# Altium PCB BMS.Pcb.PcbDoc (part 2 of 3)
Units mm, origin at the board's own origin, x right, y up, seen from the top; angles counter-clockwise.
Board outline 101.6 x 152.65 mm, 2 copper layers (Top Layer, Bottom Layer); 294 components, 149 nets, 690 pads, 917 vias.
Unrouted connection lines stored in the file: 52.
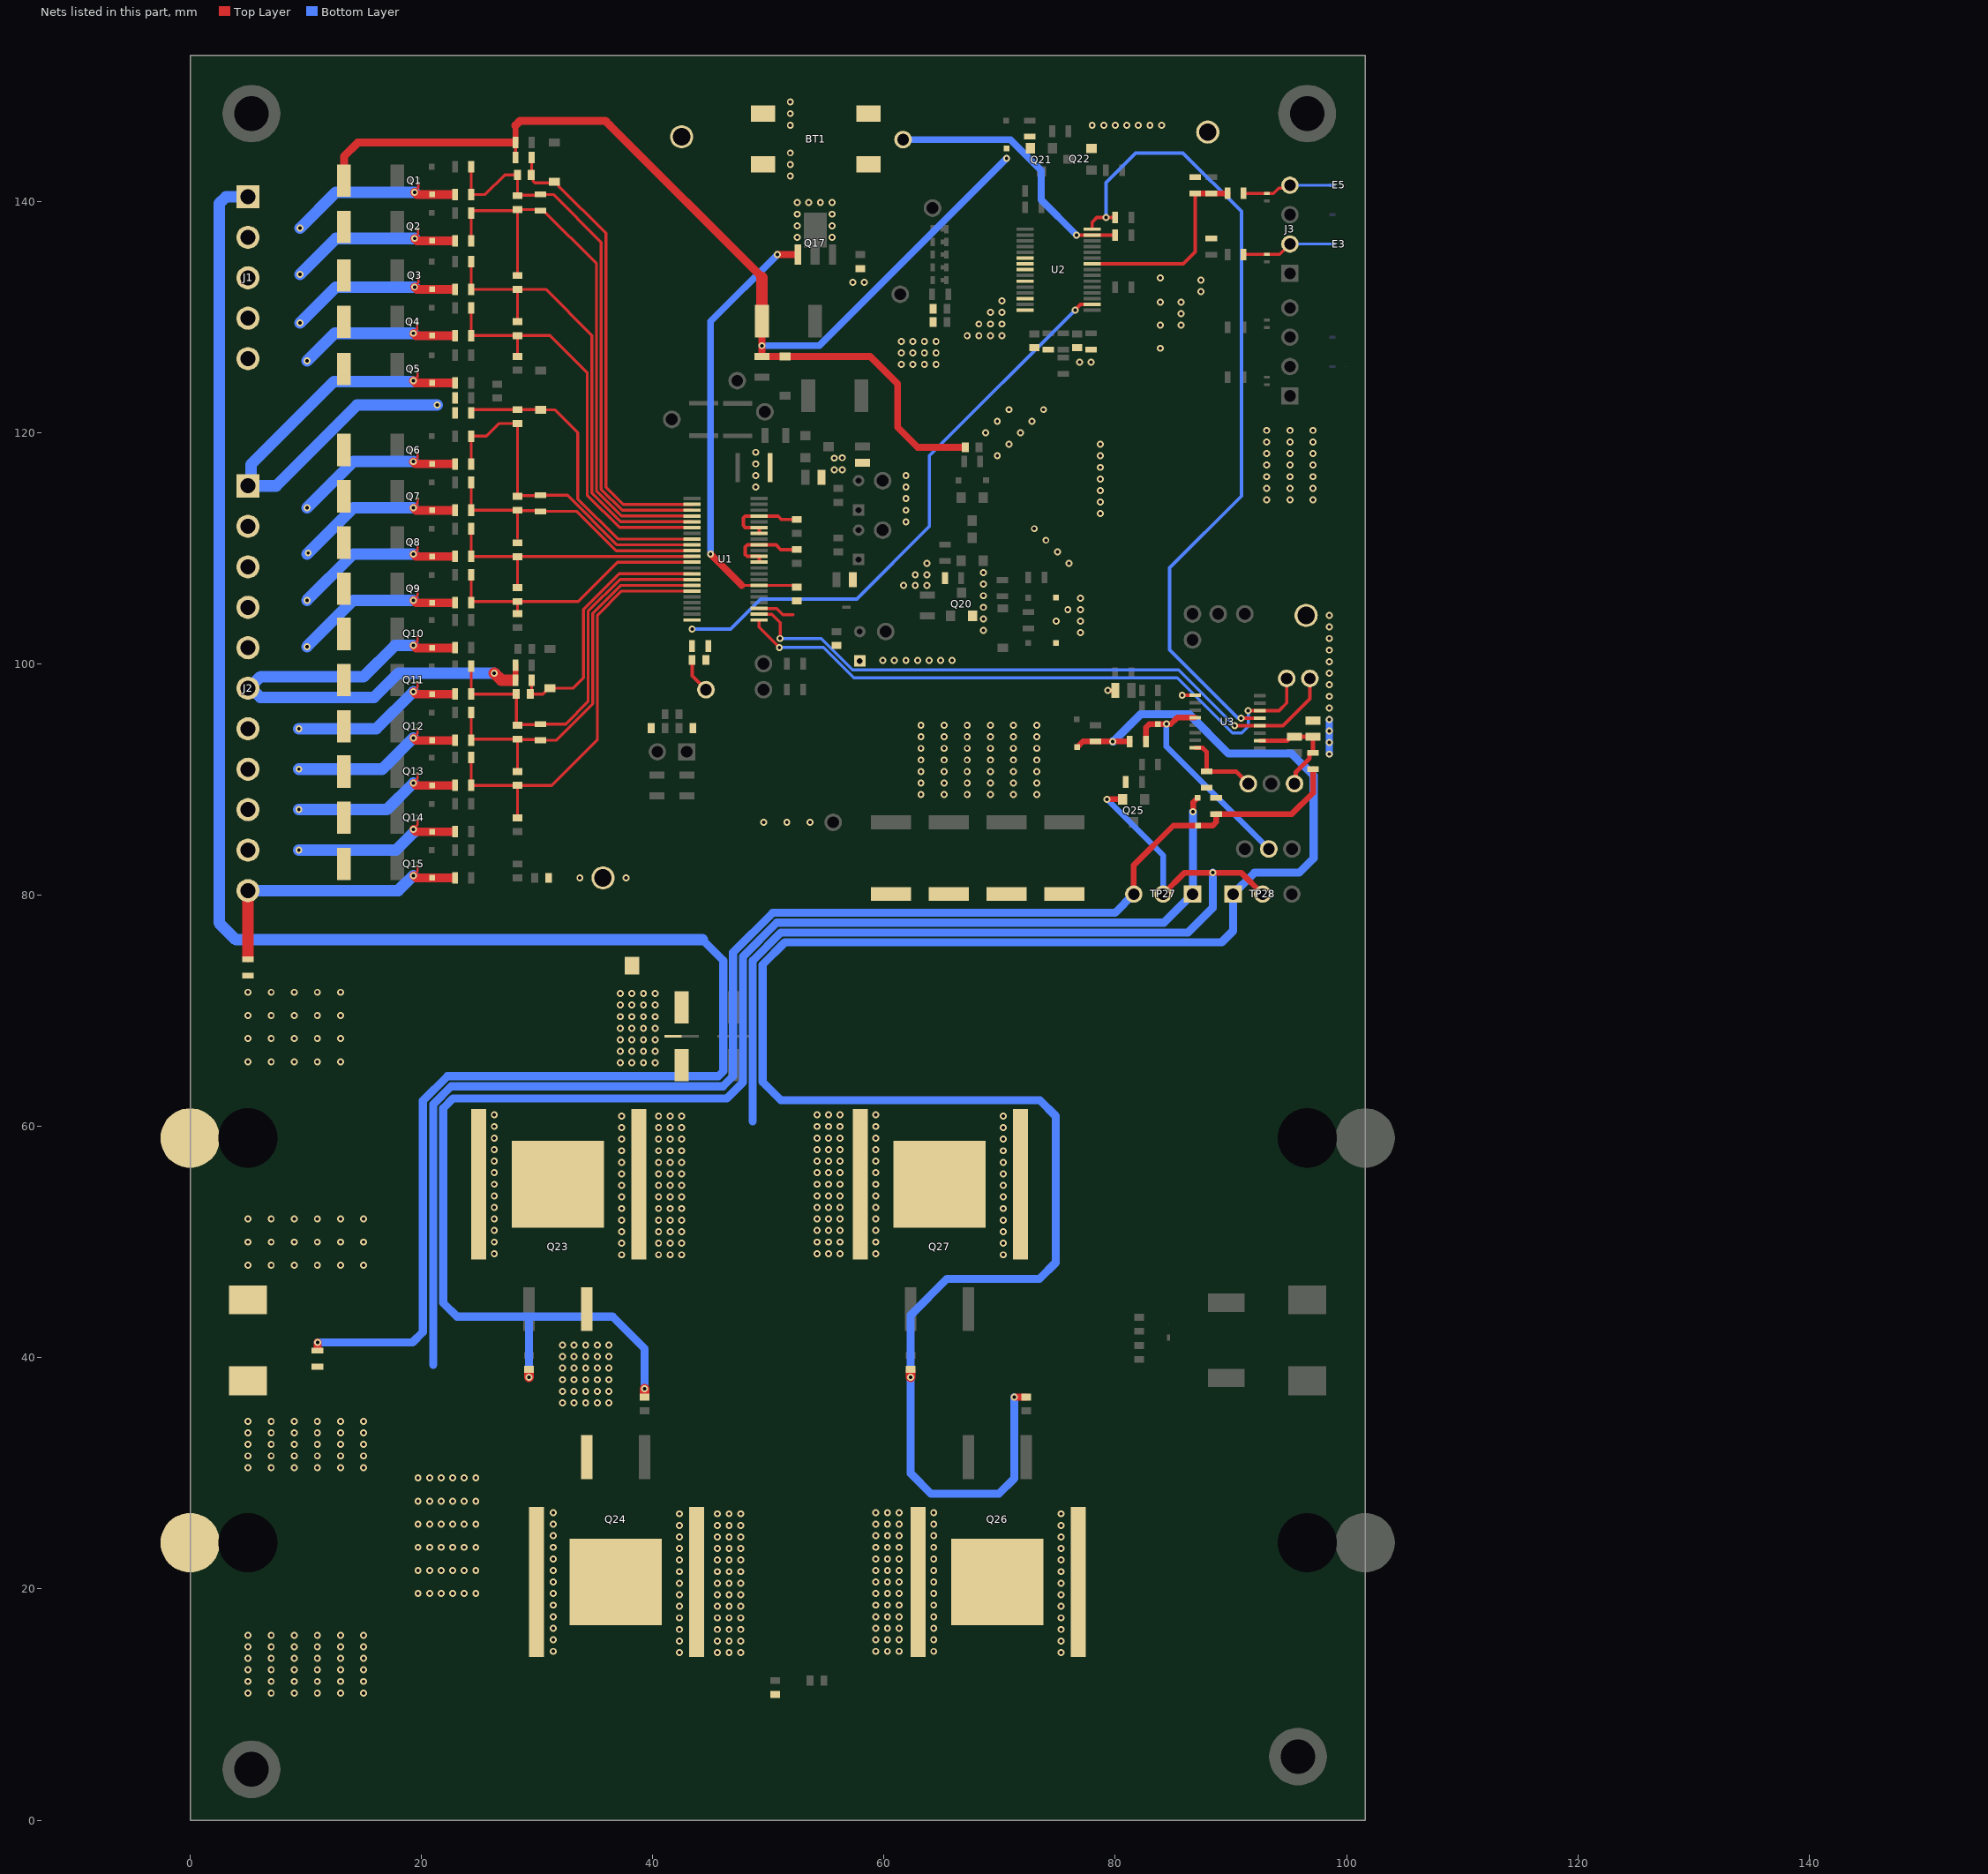
[diagram p2: the nets of this part, all layers, seen from the top]

## Part data (continued)
H2 H6 H9 H12: library part "MACHINE SCREW PAN PHILLIPS 4-40", "Machine Screw Pan Phillips 4-40", Manufacturer="Building Fasteners", Supplier Part Number=H542-ND, Category="Screws and Fasteners", ComponentLink1Description=http://www.fasnetdirect.com/refguide/Nylpanms.pdf?src-supplier=Digikey, ComponentLink1URL=http://www.fasnetdirect.com/refguide/Nylpanms.pdf?src-supplier=Digikey, Manufacturer Part Number="NY PMS 440 0025 PH", Pricing="100=0,1653, 1000=0,13225 (USD)", RoHS=No, Stock=49239, Supplier=Digikey
H3 H4 H7 H10: library part Heatsink, "TO-226 Surface Mount 18.00 C/W Thermal Resistance D2 Semiconductor Heat Sink", Case/Package=TO-263, Manufacturer="Aavid Thermalloy", Natural Thermal Resistance=18°C/W, Package Quantity=250, Supplier Part Number=532-573300D00010G, Thermal Resistance @ Forced Air Flow (100 LFM)=10°C/W, Category="Heat Sinks", ComponentLink1Description=https://datasheet.ciiva.com/17/aavid-board-level-heatsinks-catalog-17057.pdf?src-supplier=Digikey, ComponentLink1URL=https://datasheet.ciiva.com/17/aavid-board-level-heatsinks-catalog-17057.pdf?src-supplier=Digikey, ComponentLink2Description=https://datasheet.ciiva.com/19459/2033463202-19459463.pdf?src-supplier=Jameco, ComponentLink2URL=https://datasheet.ciiva.com/19459/2033463202-19459463.pdf?src-supplier=Jameco, ComponentLink3Description=https://datasheet.ciiva.com/1004/aavid-board-level-heatsinks-catalog-1004051.pdf?src-supplier=Digikey, ComponentLink3URL=https://datasheet.ciiva.com/1004/aavid-board-level-heatsinks-catalog-1004051.pdf?src-supplier=Digikey, ComponentLink4Description=https://datasheet.ciiva.com/1004/aavid-board-level-heatsinks-catalog-1004052.pdf?src-supplier=Digikey, ComponentLink4URL=https://datasheet.ciiva.com/1004/aavid-board-level-heatsinks-catalog-1004052.pdf?src-supplier=Digikey, ComponentLink5Description=https://datasheet.ciiva.com/15182/getdatasheetpartid-110609-15182557.pdf?src-supplier=Verical, ComponentLink5URL=https://datasheet.ciiva.com/15182/getdatasheetpartid-110609-15182557.pdf?src-supplier=Verical, ComponentLink6Description=https://datasheet.ciiva.com/8004/1581390-8004589.pdf?src-supplier=Element14, ComponentLink6URL=https://datasheet.ciiva.com/8004/1581390-8004589.pdf?src-supplier=Element14, Depth=12.7mm, Finish=Tin, Height=10.16mm, Height Off Base=0.4inch, Lead Free="Lead Free", Length=26.16mm, Manufacturer Part Number=573300D00010G, Material=Copper,Tin,Matte, Mounting Technology="Surface Mount,PCB", Packaging="Tape and Reel", Pricing="1=0,9, 10=0,797, 50=0,797, 100=0,787, 1000=0,675, 10000=0,659 (USD)", Radiation Hardening=No, Reach SVHC Compliant=No, RoHS=Yes, RoHS Compliant=Yes, Shape=Rectangular, Stock=19952, Supplier=Mouser, Type=Passive, Width=26.16mm
J1: library part J_TERMBLOCK_5POS_3.5MM, "Conn Shrouded Header (4 Sides) HDR 5 POS 3.5mm Solder RA Side Entry Thru-Hole Eurostyle™", Color=Black, Contact Resistance=8mR, Current=8A, Flammability Rating="UL94 V-0", Manufacturer=Molex, Max Operating Temperature=105°C, Min Operating Temperature=-40°C, Supplier Part Number=538-39502-1005, Voltage=300V, Category="Terminal Blocks", ComponentLink1Description=https://datasheet.ciiva.com/796/395021002-sd-796528.pdf?src-supplier=Digikey, ComponentLink1URL=https://datasheet.ciiva.com/796/395021002-sd-796528.pdf?src-supplier=Digikey, ComponentLink2Description=https://datasheet.ciiva.com/30070/193400395021005-terminal-blocks-30070143.pdf?src-supplier=Onlinecomponents.com, ComponentLink2URL=https://datasheet.ciiva.com/30070/193400395021005-terminal-blocks-30070143.pdf?src-supplier=Onlinecomponents.com, Contact Material=Brass, Contact Plating=Tin, Depth=9.2mm, ELV=Compliant, Halogen Free="Low Halogen", Housing Color=Black, Housing Material=Polyamide, Lead Free="Lead Free", Length=18.89mm, Manufacturer Part Number=0395021005, Mounting Technology="Through Hole", Number of Circuits=5, Number of Contacts=5, Number of Levels=1, Number of Positions=5, Number of Positions Per Level=5, Number of Rows=1, Orientation="Right Angle", Pitch=3.5mm, Pricing="1=1,27, 10=1,05, 50=1,05, 100=0,911, 1000=0,767, 10000=0,736 (USD)", Reach SVHC Compliant=Yes, RoHS=Yes, RoHS Compliant=Yes, Series="Eurostyle ESE 39502", Stock=4358, Supplier=Mouser, Termination=Solder, Width=9.2mm
J2: library part J_TERMBLOCK_11POS_3.5MM, "Conn Shrouded Header (4 Sides) HDR 11 POS 3.5mm Solder RA Thru-Hole Eurostyle™", Color=Black, Contact Resistance=8mR, Current=8A, Flammability Rating="UL94 V-0", Manufacturer=Molex, Max Operating Temperature=105°C, Min Operating Temperature=-40°C, Supplier Part Number=538-39502-1011, Voltage=300V, Category=Uncategorized, ComponentLink1Description=http://components.arrow.com/part/dataview/44158219S9305424N3303?src-supplier=Arrow+Electronics, ComponentLink1URL=http://components.arrow.com/part/dataview/44158219S9305424N3303?src-supplier=Arrow+Electronics, ComponentLink2Description=https://www.molex.com/pdm_docs/sd/395021002_sd.pdf?src-supplier=Digikey, ComponentLink2URL=https://www.molex.com/pdm_docs/sd/395021002_sd.pdf?src-supplier=Digikey, Contact Material=Brass, Contact Plating=Tin, Depth=9.2mm, Gender=Male, Housing Color=Black, Housing Material=Polyamide, Length=39.89mm, Manufacturer Part Number=0395021011, Number of Levels=1, Number of Positions=11, Number of Positions Per Level=11, Number of Rows=1, Orientation="Right Angle", Pitch=3.5mm, Pricing="1=2,11, 10=1,87, 50=1,84, 100=1,6, 1000=1,48, 10000=1,37 (USD)", RoHS=Yes, RoHS Compliant=Yes, Series="Eurostyle ESE 39502", Stock=342, Supplier=Mouser, Termination=Solder
J3 J4: library part J_CONN_4POS_2.54MM, "KK 254 Solid Header, Right-Angle, with Friction Lock, 4 Circuits, Tin (Sn) Plating", Color=White, Contact Resistance=10mR, Current Rating=4A, Flammability Rating="UL94 V-0", Manufacturer=Molex, Manufacturer Part Number=22-05-3041, Max Operating Temperature=75°C, Min Operating Temperature=0°C, Package Quantity=12000, Supplier Part Number=538-22-05-3041, Voltage Rating=250V, Insulation Resistance=50GR, Approvals=UL,CSA, Category="Headers and Wire Housings", Contact Gender=Male, Contact Material=Brass, Contact Mating Length=0.264inch, Contact Plating=Tin,Copper, Contact Type="Male Pin", Depth=12.83mm, Fastening Type=Friction, Gender=Male, Glow Wire Compliant=Non-compliant, Halogen Free="Low Halogen", Height=6.35mm, Housing Color=White, Housing Material=Nylon, Lead Free="Lead Free", Length=10.16mm, Max Current Rating=4A, Mounting Technology="Through Hole", Number of Circuits=4, Number of Contacts=4, Number of Positions=4, Number of Rows=1, Orientation="Right Angle", Packaging=Bulk, Pitch=2.54mm, Pricing="1=0,68, 10=0,597, 50=0,597, 100=0,493, 1000=0,353, 10000=0,31 (USD)", Radiation Hardening=No, Reach SVHC Compliant=Unknown, RoHS=Yes, RoHS Compliant=Yes, Series="KK® 7478", Stock=16509, Supplier=Mouser, Termination=Solder, Voltage Rating (DC)=250V
J5 J6 J7 J8: library part CONN_LUG, "One-hole copper single barrel post lug straight tongue 14 SOL - 4 STR 1/4 (6.4mm) stud hole.", Manufacturer=Panduit, Supplier Part Number=298-11858-ND, Category=Terminals, ComponentLink1Description=https://datasheet.ciiva.com/13579/c41569-05-259894-13579514.pdf?src-supplier=Mouser, ComponentLink1URL=https://datasheet.ciiva.com/13579/c41569-05-259894-13579514.pdf?src-supplier=Mouser, ComponentLink2Description=https://datasheet.ciiva.com/30261/cmscont-082463-30261378.pdf?src-supplier=Onlinecomponents.com, ComponentLink2URL=https://datasheet.ciiva.com/30261/cmscont-082463-30261378.pdf?src-supplier=Onlinecomponents.com, ComponentLink3Description=https://datasheet.ciiva.com/16062/099037-16062195.pdf?src-supplier=Onlinecomponents.com, ComponentLink3URL=https://datasheet.ciiva.com/16062/099037-16062195.pdf?src-supplier=Onlinecomponents.com, ComponentLink4Description=https://datasheet.ciiva.com/29672/c41569-05-29672890.pdf?src-supplier=Digikey, ComponentLink4URL=https://datasheet.ciiva.com/29672/c41569-05-29672890.pdf?src-supplier=Digikey, Manufacturer Part Number=ML4-CY, Pricing="1=3,08, 10=2,994, 25=2,9112, 50=2,828, 100=2,7449, 500=2,6617, 1000=2,57852 (USD)", RoHS=Yes, Stock=1277, Supplier=Digikey
L1 L2 L3 L4: library part L_FB_220OHM_0603, "Ferrite Beads Multi-Layer 220Ohm 25% 100MHz 2.5A 40mOhm DCR 0603 Paper T/R", Case Code (Metric)=1608, Case Code (Imperial)=0603, Current Rating=2.5A, DC Resistance (DCR)=40mR, Manufacturer=Murata, Max Operating Temperature=125°C, Min Operating Temperature=-55°C, Package Quantity=1, Supplier Part Number=81-BLM18SG221TN1D, Test Frequency=100MHz, Tolerance=25%, Case/Package=0603, Category="Ferrite Beads and Chips", ComponentLink1Description=https://datasheet.ciiva.com/1561/c31e-1561456.pdf?src-supplier=Newark, ComponentLink1URL=https://datasheet.ciiva.com/1561/c31e-1561456.pdf?src-supplier=Newark, ComponentLink2Description=https://datasheet.ciiva.com/41449/001171724-da-01-en-chip-drossel0603-220r-2500ma-1-6x0-8mm-41449352.pdf?src-supplier=Conrad, ComponentLink2URL=https://datasheet.ciiva.com/41449/001171724-da-01-en-chip-drossel0603-220r-2500ma-1-6x0-8mm-41449352.pdf?src-supplier=Conrad, ComponentLink3Description=https://datasheet.ciiva.com/41449/001172313-da-01-en-drossel-0603-220r-21-6x0-8mm-10000st-41449677.pdf?src-supplier=Conrad, ComponentLink3URL=https://datasheet.ciiva.com/41449/001172313-da-01-en-drossel-0603-220r-21-6x0-8mm-10000st-41449677.pdf?src-supplier=Conrad, ComponentLink4Description=https://datasheet.ciiva.com/14122/blm-series-eng-tds-14122910.pdf?src-supplier=Distrelec, ComponentLink4URL=https://datasheet.ciiva.com/14122/blm-series-eng-tds-14122910.pdf?src-supplier=Distrelec, ComponentLink5Description=https://datasheet.ciiva.com/8508/l0110s0100blm18s-8508310.pdf?src-supplier=Avnet, ComponentLink5URL=https://datasheet.ciiva.com/8508/l0110s0100blm18s-8508310.pdf?src-supplier=Avnet, ComponentLink6Description=https://datasheet.ciiva.com/8021/5151-8021517.pdf?src-supplier=Element14, ComponentLink6URL=https://datasheet.ciiva.com/8021/5151-8021517.pdf?src-supplier=Element14, ComponentLink7Description=https://datasheet.ciiva.com/8021/5151-8021519.pdf?src-supplier=Element14, ComponentLink7URL=https://datasheet.ciiva.com/8021/5151-8021519.pdf?src-supplier=Element14, ComponentLink8Description=https://datasheet.ciiva.com/1012/l0110s0100blm18s-1012627.pdf?src-supplier=Digikey, ComponentLink8URL=https://datasheet.ciiva.com/1012/l0110s0100blm18s-1012627.pdf?src-supplier=Digikey, ComponentLink9Description=https://datasheet.ciiva.com/1012/l0110s0100blm18s-1012626.pdf?src-supplier=Digikey, ComponentLink9URL=https://datasheet.ciiva.com/1012/l0110s0100blm18s-1012626.pdf?src-supplier=Digikey, ComponentLink10Description=https://datasheet.ciiva.com/1012/l0110s0100blm18s-1012628.pdf?src-supplier=Digikey, ComponentLink10URL=https://datasheet.ciiva.com/1012/l0110s0100blm18s-1012628.pdf?src-supplier=Digikey, ComponentLink11Description=https://datasheet.ciiva.com/16204/l0110s0100blm18s-16204029.pdf?src-supplier=Future+Electronics, ComponentLink11URL=https://datasheet.ciiva.com/16204/l0110s0100blm18s-16204029.pdf?src-supplier=Future+Electronics, Core Material=Ferrite, DC Current=2.5A, DC Resistance-Max=40mR, Depth=0.95mm, ESR=40mR, Height=0.8mm, Lead Free="Lead Free", Length=1.6mm, Manufacturer Part Number=BLM18SG221TN1D, Material=Steel,Ferrite, Max Current Rating=2.5A, Max DC Current=2.5A, Number of Circuits=1, Number of Lines=1, Packaging="Tape and Reel", Pins=2, Pricing="1=0,13, 10=0,071, 50=0,071, 100=0,049, 1000=0,036, 10000=0,03 (USD)", Radiation Hardening=No, Reach SVHC Compliant=No, RMS Current (Irms)=2.5A, RoHS=Yes, RoHS Compliant=Yes, Series=BLM18S, Stock=535751, Supplier=Mouser, Termination=SMD/SMT, Weight=7.1E-05oz, Width=0.8mm, Impedance=220R
LD1 LD2 LD3 LD4 LD5: library part LED_GREEN_0603, "LED Uni-Color Green 565nm 2-Pin Chip LED T/R", Case Code (Metric)=1608, Case Code (Imperial)=0603, Color=Green, Forward Current=30mA, Forward Voltage=2.1V, Lens Color=Colorless, Manufacturer="Vishay Lite-On", Max Operating Temperature=85°C, Min Operating Temperature=-55°C, Package Quantity=1, Power Dissipation=100mW, Reverse Voltage=5V, Supplier Part Number=3106685, Test Current=10mA, Voltage=2V, Case/Package=0603, Category=LEDs, ComponentLink1Description=https://datasheet.ciiva.com/2109/ltst-c190gkt-2109985.pdf?src-supplier=Digikey, ComponentLink1URL=https://datasheet.ciiva.com/2109/ltst-c190gkt-2109985.pdf?src-supplier=Digikey, ComponentLink2Description=https://datasheet.ciiva.com/11775/0900766b80dc02a6-11775616.pdf?src-supplier=Rs, ComponentLink2URL=https://datasheet.ciiva.com/11775/0900766b80dc02a6-11775616.pdf?src-supplier=Rs, ComponentLink3Description=https://datasheet.ciiva.com/12403/lite-on-ltst-c190gkt-187204-12403884.pdf?src-supplier=Mouser, ComponentLink3URL=https://datasheet.ciiva.com/12403/lite-on-ltst-c190gkt-187204-12403884.pdf?src-supplier=Mouser, ComponentLink4Description=https://datasheet.ciiva.com/16392/lite-on20ltst-c190gkt-16392818.pdf?src-supplier=Future+Electronics, ComponentLink4URL=https://datasheet.ciiva.com/16392/lite-on20ltst-c190gkt-16392818.pdf?src-supplier=Future+Electronics, ComponentLink5Description=https://datasheet.ciiva.com/2109/ltst-c190gkt-2109986.pdf?src-supplier=Digikey, ComponentLink5URL=https://datasheet.ciiva.com/2109/ltst-c190gkt-2109986.pdf?src-supplier=Digikey, ComponentLink6Description=https://datasheet.ciiva.com/2109/ltst-c190gkt-2109987.pdf?src-supplier=Digikey, ComponentLink6URL=https://datasheet.ciiva.com/2109/ltst-c190gkt-2109987.pdf?src-supplier=Digikey, Depth=0.8mm, Dominant Wavelength=569nm, Height=0.9mm, Lead Free="Lead Free", Length=1.6mm, Lens Size=0.8mm, Lens Style=Flat,Diffused,Colorless,Rectangular,Clear, Lens Transparency=Clear, Luminous Intensity=6mcd, Manufacturer Part Number=LTST-C190GKT, Mounting Technology="Surface Mount", Number of Elements=1, Number of LEDs=1, Packaging="Tape and Reel", Pins=2, Power Rating=100mW, Pricing="1=0,184, 15=0,137, 100=0,104, 400=0,0802, 2000=0,0524 (USD)", Radiation Hardening=No, RoHS=Yes, RoHS Compliant=Yes, Series=-, Stock=190, Supplier="Future Electronics", Viewing Angle=130°, Wavelength=565nm, Width=0.8mm, Illumination Color=Green
NT1: library part NET_TİE_1, "Single point connection between nets."
NT2: library part NET_TİE_2, "Single point connection between nets."
NT3 NT4: library part NET_TİE_3, "Single point connection between nets."
Q1 Q2 Q3 Q4 Q5 Q6 Q7 Q8 Q9 Q10 Q11 Q12 Q13 Q14 Q15: library part Q_MOSFET_12V_PICOSTAR3, "MOSFET N-CH 12V 2.1A 3PICOSTAR / Trans MOSFET N-CH 12V 2.1A 3-Pin PicoStar T/R", Manufacturer="Texas Instruments", Supplier Part Number=595-CSD13381F4, Voltage=12V, Category=MOSFETs, ComponentLink1Description=https://datasheet.ciiva.com/29742/csd13381f4-29742944.pdf?src-supplier=Digikey, ComponentLink1URL=https://datasheet.ciiva.com/29742/csd13381f4-29742944.pdf?src-supplier=Digikey, ComponentLink2Description=https://datasheet.ciiva.com/30021/csd13381f4-30021964.pdf?src-supplier=Avnet, ComponentLink2URL=https://datasheet.ciiva.com/30021/csd13381f4-30021964.pdf?src-supplier=Avnet, Manufacturer Part Number=CSD13381F4, Pricing="1=0,36, 10=0,274, 50=0,274, 100=0,155, 1000=0,078, 10000=0,054 (USD)", RoHS=Yes, Stock=84819, Supplier=Mouser
Q16: library part Q_MOSFET_100V_SOT23, "MOSFET N-CH 100V 190MA SOT-23", Manufacturer=Nexperia, Supplier Part Number=1727-4937-6-ND, Voltage=100V, Category=MOSFETs, ComponentLink1Description=http://www.farnell.com/datasheets/66837.pdf?src-supplier=Farnell, ComponentLink1URL=http://www.farnell.com/datasheets/66837.pdf?src-supplier=Farnell, ComponentLink2Description=http://www.farnell.com/datasheets/2871798.pdf?src-supplier=Farnell, ComponentLink2URL=http://www.farnell.com/datasheets/2871798.pdf?src-supplier=Farnell, ComponentLink3Description=https://datasheet.octopart.com/BST82%2C215-Nexperia-datasheet-8366983.pdf?src-supplier=Newark, ComponentLink3URL=https://datasheet.octopart.com/BST82%2C215-Nexperia-datasheet-8366983.pdf?src-supplier=Newark, ComponentLink4Description=http://www.farnell.com/datasheets/2871798.pdf?src-supplier=Newark, ComponentLink4URL=http://www.farnell.com/datasheets/2871798.pdf?src-supplier=Newark, ComponentLink5Description=https://assets.nexperia.com/documents/data-sheet/BST82.pdf?src-supplier=Digikey, ComponentLink5URL=https://assets.nexperia.com/documents/data-sheet/BST82.pdf?src-supplier=Digikey, Manufacturer Part Number=BST82,215, Pricing="1=0,38, 10=0,295, 100=0,1773, 500=0,16412, 1000=0,1116 (USD)", RoHS=Yes, Stock=30276, Supplier=Digikey
Q17: library part Q_BJT_100V_SOT-89-3, "TRANS NPN 100V 5.25A SOT89", Manufacturer="Diodes Zetex", Supplier Part Number=621-ZXTN19100CZTA, Voltage=100V, Category=BJTs, ComponentLink1Description=https://datasheet.ciiva.com/980/zxtn19100cz-980400.pdf?src-supplier=Digikey, ComponentLink1URL=https://datasheet.ciiva.com/980/zxtn19100cz-980400.pdf?src-supplier=Digikey, ComponentLink2Description=https://datasheet.ciiva.com/11207/zxtn19100cz-11207318.pdf?src-supplier=Avnet, ComponentLink2URL=https://datasheet.ciiva.com/11207/zxtn19100cz-11207318.pdf?src-supplier=Avnet, ComponentLink3Description=https://datasheet.ciiva.com/980/zxtn19100cz-980401.pdf?src-supplier=Digikey, ComponentLink3URL=https://datasheet.ciiva.com/980/zxtn19100cz-980401.pdf?src-supplier=Digikey, ComponentLink4Description=https://datasheet.ciiva.com/980/zxtn19100cz-980402.pdf?src-supplier=Digikey, ComponentLink4URL=https://datasheet.ciiva.com/980/zxtn19100cz-980402.pdf?src-supplier=Digikey, Manufacturer Part Number=ZXTN19100CZTA, Pricing="1=0,63, 10=0,551, 50=0,551, 100=0,401, 1000=0,319, 10000=0,283 (USD)", RoHS=Yes, Stock=1677, Supplier=Mouser
Q18 Q20 Q22: library part Q_MOSFET_100V_SOT23-3, "Transistor MOSFET Negative Channel 100 Volt 0.17A 3-Pin SOT-23", Manufacturer="ON Semiconductor / Fairchild", Supplier Part Number=1056753, Voltage=100V, Category=MOSFETs, Manufacturer Part Number=BSS123, Number of Channels=1NUMBER, Pricing="3000=0,0465, 9000=0,0447, 15000=0,0439, 30000=0,0429, 60000=0,0412 (USD)", RoHS=Yes, Stock=351000, Supplier="Future Electronics"
Q19 Q21 Q25: library part Q_MOSFET_100V_SOT23-3_1, "P-Channel 100 V 1 Ohm Surface Mount Enhancement Mode MOSFET - SOT-23", Current Rating=-500mA, Manufacturer="Diodes Zetex", Supplier Part Number=3181252, Voltage Rating (DC)=-100V, Category=MOSFETs, ComponentLink1Description=https://datasheet.ciiva.com/6383/zxmp10a13f-6383089.pdf?src-supplier=Digikey, ComponentLink1URL=https://datasheet.ciiva.com/6383/zxmp10a13f-6383089.pdf?src-supplier=Digikey, ComponentLink2Description=https://datasheet.ciiva.com/11175/zxmp10a13f-11175011.pdf?src-supplier=Avnet, ComponentLink2URL=https://datasheet.ciiva.com/11175/zxmp10a13f-11175011.pdf?src-supplier=Avnet, ComponentLink3Description=https://datasheet.ciiva.com/17097/zxmp10a13fta-17097946.pdf?src-supplier=Allied+Electronics, ComponentLink3URL=https://datasheet.ciiva.com/17097/zxmp10a13fta-17097946.pdf?src-supplier=Allied+Electronics, ComponentLink4Description=https://datasheet.ciiva.com/16387/zxmp10a13f-16387581.pdf?src-supplier=Future+Electronics, ComponentLink4URL=https://datasheet.ciiva.com/16387/zxmp10a13f-16387581.pdf?src-supplier=Future+Electronics, ComponentLink5Description=https://datasheet.ciiva.com/22712/1915646-22712428.pdf?src-supplier=Element14, ComponentLink5URL=https://datasheet.ciiva.com/22712/1915646-22712428.pdf?src-supplier=Element14, ComponentLink6Description=https://datasheet.ciiva.com/6383/zxmp10a13f-6383087.pdf?src-supplier=Digikey, ComponentLink6URL=https://datasheet.ciiva.com/6383/zxmp10a13f-6383087.pdf?src-supplier=Digikey, Lead Free=5697LeadFree, Manufacturer Part Number=ZXMP10A13FTA, Pricing="3000=0,16, 6000=0,157, 9000=0,155, 12000=0,154, 15000=0,15 (USD)", RoHS=Yes, Stock=1053000, Supplier="Future Electronics"
Q23 Q24 Q26 Q27: library part Q_MOSFET_100V_TO363, "100-V, N channel NexFET™ power MOSFET, single D2PAK, 2.4 mOhm 3-DDPAK/TO-263 -55 to 175", Manufacturer="Texas Instruments", Supplier Part Number=595-CSD19536KTT, Voltage=100V, Category=MOSFETs, ComponentLink1Description=http://www.ti.com/lit/gpn/csd19536ktt?src-supplier=Mouser, ComponentLink1URL=http://www.ti.com/lit/gpn/csd19536ktt?src-supplier=Mouser, ComponentLink2Description=http://www.ti.com/general/docs/lit/getliterature.tsp?genericPartNumber=CSD19536KTT&&fileType=pdf&src-supplier=Avnet, ComponentLink2URL=http://www.ti.com/general/docs/lit/getliterature.tsp?genericPartNumber=CSD19536KTT&&fileType=pdf&src-supplier=Avnet, ComponentLink3Description=http://www.ti.com/lit/ds/symlink/csd19536ktt.pdf?src-supplier=Digikey, ComponentLink3URL=http://www.ti.com/lit/ds/symlink/csd19536ktt.pdf?src-supplier=Digikey, ComponentLink4Description=http://www.ti.com/general/docs/suppproductinfo.tsp?distId=10&amp;gotoUrl=http%3A%2F%2Fwww.ti.com%2Flit%2Fgpn%2Fcsd19536ktt&src-supplier=Digikey, ComponentLink4URL=http://www.ti.com/general/docs/suppproductinfo.tsp?distId=10&amp;gotoUrl=http%3A%2F%2Fwww.ti.com%2Flit%2Fgpn%2Fcsd19536ktt&src-supplier=Digikey, Manufacturer Part Number=CSD19536KTT, Pricing="1=4,44, 10=3,73, 50=3,73, 100=3,02, 1000=2,29, 10000=2,16 (USD)", RoHS=Yes, Stock=1933, Supplier=Mouser
R1 R2 R3 R4 R5 R6 R7 R8 R9 R10 R11 R12 R13 R14 R15: library part R_28.7OHM_%1_3/4W_2010, "SMD Chip Resistor, 28.7 Ohm, ± 1%, 750 mW, 2010 [5025 Metric], Thick Film, General Purpose", Manufacturer="Vishay Dale", Supplier Part Number=71-CRCW201028R7FKEF, Category="Chip SMD Resistors", ComponentLink1Description=https://datasheet.ciiva.com/2477/dcrcwe3-2477004.pdf?src-supplier=Digikey, ComponentLink1URL=https://datasheet.ciiva.com/2477/dcrcwe3-2477004.pdf?src-supplier=Digikey, ComponentLink2Description=https://datasheet.ciiva.com/2477/dcrcwe3-2477005.pdf?src-supplier=Digikey, ComponentLink2URL=https://datasheet.ciiva.com/2477/dcrcwe3-2477005.pdf?src-supplier=Digikey, ComponentLink3Description=https://datasheet.ciiva.com/2477/dcrcwe3-2477006.pdf?src-supplier=Digikey, ComponentLink3URL=https://datasheet.ciiva.com/2477/dcrcwe3-2477006.pdf?src-supplier=Digikey, Manufacturer Part Number=CRCW201028R7FKEF, Pricing="1=0,25, 10=0,091, 50=0,091, 100=0,058, 1000=0,045, 10000=0,03 (USD)", RoHS=Yes, Stock=2759, Supplier=Mouser
R16 R17 R19 R21 R23 R25 R27 R28 R29 R31 R33 R35 R37 R39 R40 R41 R43 R45 R47 R49 R51 R66 R68 R71 R72: library part R_1K_%5_1/10W_0603, "SMD Chip Resistor, 1 kOhm, ± 5%, 100 mW, 0603 [1608 Metric], Thick Film, General Purpose", Case Code (Metric)=1608, Case Code (Imperial)=0603, Manufacturer="Vishay Dale", Max Operating Temperature=155°C, Max Power Dissipation=100mW, Min Operating Temperature=-55°C, Package Quantity=1, Resistance Tolerance=5%, Resistor Type="Thick Film", Supplier Part Number=71-CRCW0603J-1.0K-E3, Temperature Coefficient=200ppm/°C, Voltage Rating=75V, Case/Package=0603, Category="Chip SMD Resistors", ComponentLink1Description=https://datasheet.ciiva.com/46441/1533075-46441625.pdf?src-supplier=Element14, ComponentLink1URL=https://datasheet.ciiva.com/46441/1533075-46441625.pdf?src-supplier=Element14, ComponentLink2Description=https://datasheet.ciiva.com/28621/1847332-28621386.pdf?src-supplier=Element14, ComponentLink2URL=https://datasheet.ciiva.com/28621/1847332-28621386.pdf?src-supplier=Element14, ComponentLink3Description=https://datasheet.ciiva.com/2462/dcrcwe3-2462023.pdf?src-supplier=Digikey, ComponentLink3URL=https://datasheet.ciiva.com/2462/dcrcwe3-2462023.pdf?src-supplier=Digikey, ComponentLink4Description=https://datasheet.ciiva.com/2462/dcrcwe3-2462024.pdf?src-supplier=Digikey, ComponentLink4URL=https://datasheet.ciiva.com/2462/dcrcwe3-2462024.pdf?src-supplier=Digikey, ComponentLink5Description=https://datasheet.ciiva.com/2462/dcrcwe3-2462022.pdf?src-supplier=Digikey, ComponentLink5URL=https://datasheet.ciiva.com/2462/dcrcwe3-2462022.pdf?src-supplier=Digikey, ComponentLink6Description=https://datasheet.ciiva.com/5548/dcrcwe3-109170-5548152.pdf?src-supplier=Mouser, ComponentLink6URL=https://datasheet.ciiva.com/5548/dcrcwe3-109170-5548152.pdf?src-supplier=Mouser, ComponentLink7Description=https://datasheet.ciiva.com/16211/dcrcwe3-16211589.pdf?src-supplier=Future+Electronics, ComponentLink7URL=https://datasheet.ciiva.com/16211/dcrcwe3-16211589.pdf?src-supplier=Future+Electronics, Construction=Rectangular, Contact Plating=Tin, Depth=0.85mm, Features="Automotive AEC-Q200", Height=0.02inch, Lead Free="Lead Free", Length=1.55mm, Manufacturer Part Number=CRCW06031K00JNEA, Military Standard=Not, Number of Terminations=2, Packaging="Tape and Reel", Pins=2, Power Rating=100mW, Pricing="1=0,1, 10=0,016, 50=0,016, 100=0,009, 1000=0,006, 10000=0,003 (USD)", Radiation Hardening=No, Reach SVHC Compliant=Unknown, RoHS=Yes, RoHS Compliant=Yes, Series=CRCW, Stock=120124, Supplier=Mouser, Termination=SMD/SMT, Tolerance=5%, Voltage Rating (DC)=75V, Weight=7.1E-05oz, Width=0.033inch
R18 R20 R22 R24 R26 R30 R32 R34 R36 R38 R42 R44 R46 R48 R50 R58 R60: library part R_10K_%5_1/10W_0603, "SMD Chip Resistor, 10 kOhm, ± 5%, 100 mW, 0603 [1608 Metric], Thick Film, General Purpose", Case Code (Metric)=1608, Case Code (Imperial)=0603, Manufacturer="Vishay Dale", Max Operating Temperature=155°C, Max Power Dissipation=100mW, Min Operating Temperature=-55°C, Package Quantity=1, Ratings=AEC-Q200, Resistance Tolerance=5%, Resistor Type="Thick Film", Supplier Part Number=71-CRCW0603J-10K-E3, Temperature Coefficient=200ppm/°C, Voltage Rating=75V, Case/Package=0603, Category="Chip SMD Resistors", ComponentLink1Description=https://datasheet.ciiva.com/2461/dcrcwe3-2461973.pdf?src-supplier=Digikey, ComponentLink1URL=https://datasheet.ciiva.com/2461/dcrcwe3-2461973.pdf?src-supplier=Digikey, ComponentLink2Description=https://datasheet.ciiva.com/16755/70201119-16755717.pdf?src-supplier=Allied+Electronics, ComponentLink2URL=https://datasheet.ciiva.com/16755/70201119-16755717.pdf?src-supplier=Allied+Electronics, ComponentLink3Description=https://datasheet.ciiva.com/3256/dcrcwe3-3256942.pdf?src-supplier=Avnet, ComponentLink3URL=https://datasheet.ciiva.com/3256/dcrcwe3-3256942.pdf?src-supplier=Avnet, ComponentLink4Description=https://datasheet.ciiva.com/16771/70201119-16771051.pdf?src-supplier=Allied+Electronics, ComponentLink4URL=https://datasheet.ciiva.com/16771/70201119-16771051.pdf?src-supplier=Allied+Electronics, ComponentLink5Description=https://datasheet.ciiva.com/3256/dcrcwe3-3256943.pdf?src-supplier=Avnet, ComponentLink5URL=https://datasheet.ciiva.com/3256/dcrcwe3-3256943.pdf?src-supplier=Avnet, ComponentLink6Description=https://datasheet.ciiva.com/16343/dcrcwe3-16343525.pdf?src-supplier=Future+Electronics, ComponentLink6URL=https://datasheet.ciiva.com/16343/dcrcwe3-16343525.pdf?src-supplier=Future+Electronics, ComponentLink7Description=https://datasheet.ciiva.com/2461/dcrcwe3-2461972.pdf?src-supplier=Digikey, ComponentLink7URL=https://datasheet.ciiva.com/2461/dcrcwe3-2461972.pdf?src-supplier=Digikey, ComponentLink8Description=https://datasheet.ciiva.com/2461/dcrcwe3-2461971.pdf?src-supplier=Digikey, ComponentLink8URL=https://datasheet.ciiva.com/2461/dcrcwe3-2461971.pdf?src-supplier=Digikey, Construction=Rectangular, Contact Plating=Tin, Depth=0.85mm, Features="Automotive AEC-Q200", Height=0.02inch, Lead Free=5697LeadFree, Length=1.55mm, Manufacturer Part Number=CRCW060310K0JNEA, Military Standard=Not, Mounting Technology="Surface Mount", Number of Terminations=2, Packaging="Tape and Reel", Pins=2NUMBER, Power Rating=100mW, Pricing="1=0,1, 10=0,016, 50=0,016, 100=0,009, 1000=0,006, 10000=0,004 (USD)", Radiation Hardening=No, Reach SVHC Compliant=Unknown, RoHS=Yes, RoHS Compliant=Yes, Series=CRCW, Stock=615842, Supplier=Mouser, Termination=SMD/SMT, Tolerance=5%, Voltage Rating (DC)=75V, Weight=7.1E-05oz, Width=0.033inch